# Altium PCB MOTHER_BOARD_LS1021_v1.0.PcbDoc (part 10 of 15) (continued)
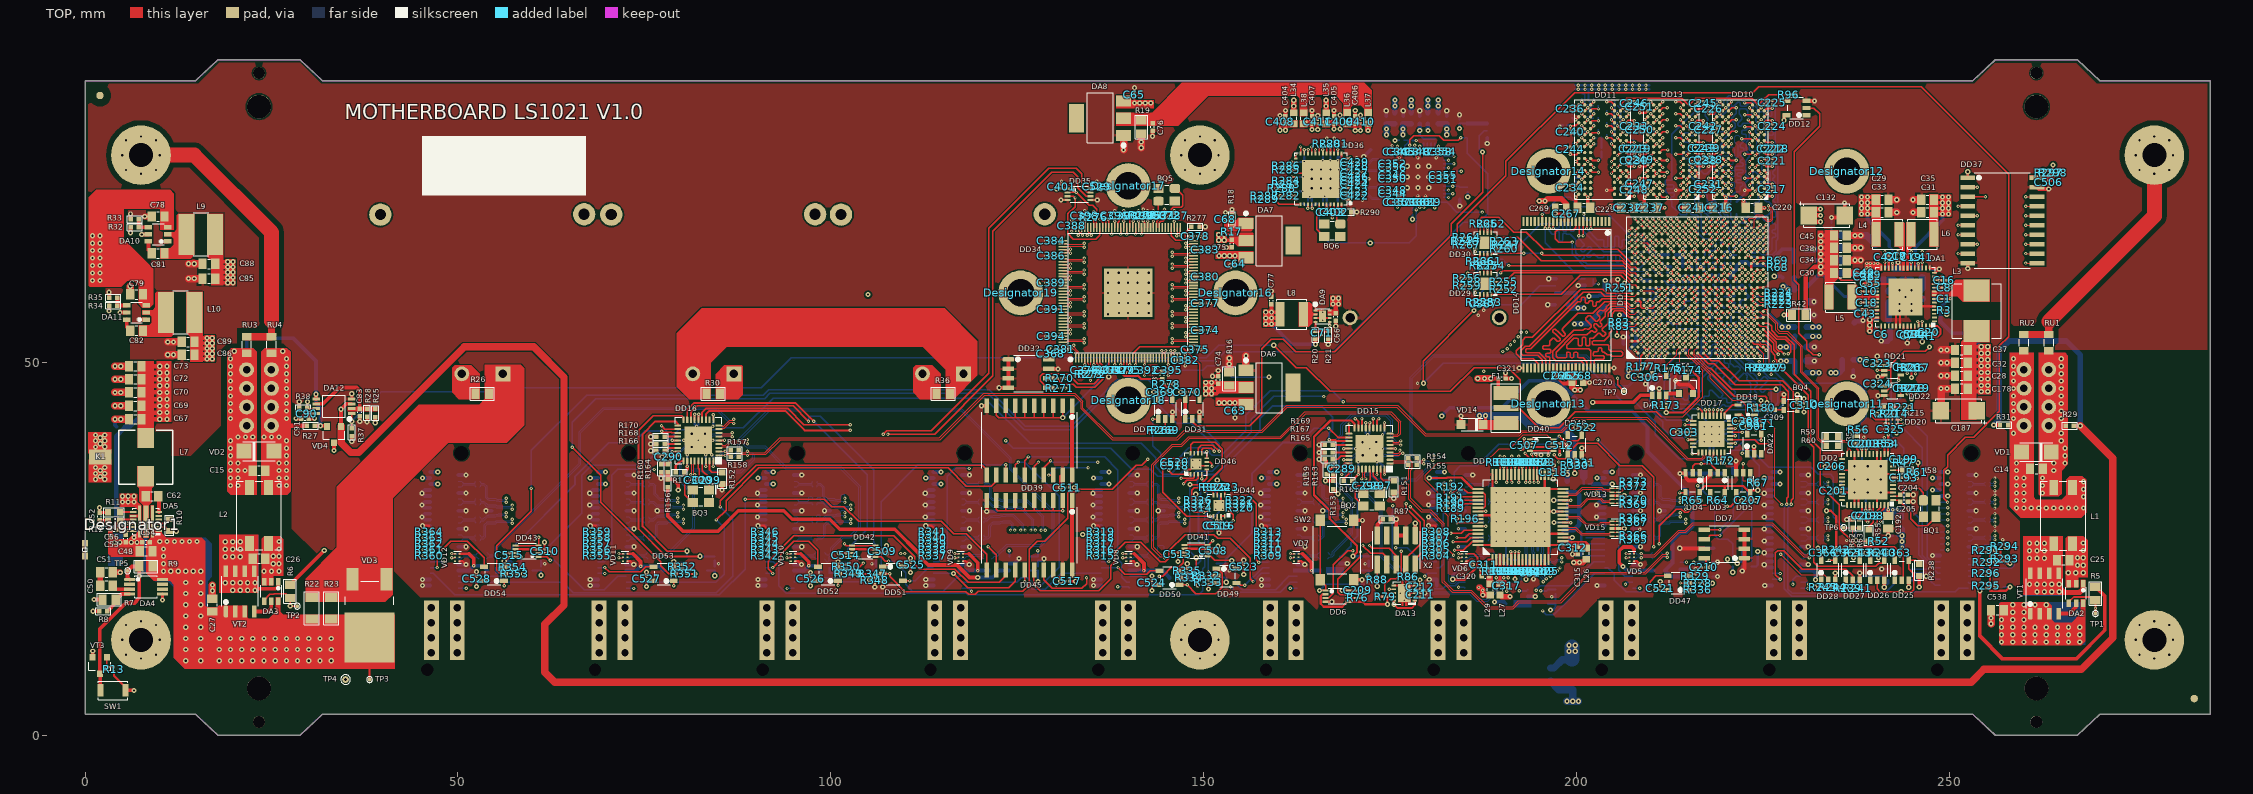
[diagram p0: TOP view]
## Nets (pads, with @x,y where several pads share a name; then routed paths per layer and width w, separated by ;. In a path a pad name is that pad's centre, name@x,y a point inside that pad or via, vN(x,y) a via of type N, cw(c..) or ccw(c..) an arc to the next point about the centre after c; other vN are vias at no path point) (continued)
NetC341_2: C341.2 C342.2 DD24.15 | length 2.3
  BOTTOM w0.196: C341.2@176.825,79.775 C342.2@177.45,79.775 177.45,79.496 177,79.046 DD24.15@177,78.275
NetC373_1: C373.1 DD33.4 DD34.17 R278.1 | length 11.2
  TOP w0.2: DD34.17@139.275,50.575 139.3,50.575 139.3,48.3
  TOP w0.3: 139.3,48.3 139.425,48.175 141.221,48.175 141.621,47.775 C373.1@144.45,47.775 144.7,47.525 R278.1@144.7,47.1 144.7,46.996 144.996,46.7 145.45,46.7 145.825,46.325 DD33.4@145.825,45.1
NetC506_1: C506.1 DD37.20 R297.2 R298.2
NetC530_2: C530.2 X4.20 | length 2.7
  BOTTOM w0.12: X4.20@230.075,26.9 230.735,26.9 231.025,26.61 232.235,26.61 C530.2@232.525,26.9
NetC531_2: C531.2 X4.18 | length 2.7
  BOTTOM w0.12: X4.18@230.075,26.1 230.735,26.1 231.025,26.39 232.235,26.39 C531.2@232.525,26.1
NetC532_2: C532.2 X4.26 | length 2.7
  BOTTOM w0.12: X4.26@230.075,29.3 230.735,29.3 231.025,29.01 232.235,29.01 C532.2@232.525,29.3
NetC533_2: C533.2 X4.24 | length 2.7
  BOTTOM w0.12: X4.24@230.075,28.5 230.735,28.5 231.025,28.79 232.235,28.79 C533.2@232.525,28.5
NetC534_2: C534.2 X4.36 | length 2.7
  BOTTOM w0.12: X4.36@230.075,33.3 230.735,33.3 231.025,33.59 232.235,33.59 C534.2@232.525,33.3
NetC535_2: C535.2 X4.38 | length 2.7
  BOTTOM w0.12: X4.38@230.075,34.1 230.735,34.1 231.025,33.81 232.235,33.81 C535.2@232.525,34.1
NetC536_2: C536.2 X4.30 | length 2.7
  BOTTOM w0.12: X4.30@230.075,30.9 230.735,30.9 231.025,31.19 232.235,31.19 C536.2@232.525,30.9
NetC537_2: C537.2 X4.32 | length 2.7
  BOTTOM w0.12: X4.32@230.075,31.7 230.735,31.7 231.025,31.41 232.235,31.41 C537.2@232.525,31.7
NetDA1_4: DA1.4 R3.2 | length 1
  TOP w0.25: DA1.4@248,57.025 R3.2@249.05,57.025
NetDA1_8: DA1.8 DA1.9 DA1.11 L3.1
NetDA1_21: DA1.21 L6.1
NetDA1_22: DA1.22 L4.1
NetDA1_35: DA1.35 DA1.36 L5.1
NetDA1_56: DA1.56 R1.1 | length 3.7
  TOP w0.25: DA1.56@247.375,54.9 248.375,54.9 248.825,54.45 248.825,53.825 248.5,53.5 R1.1@247.525,53.5
NetDA2_5: DA2.5 VT1.4 | length 3.2
  TOP w0.5: VT1.4@264.68,16.325 266.1,16.325 267,17.225 DA2.5@267,17.725
NetDA3_5: DA3.5 VT2.4 | length 3.4
  TOP w0.5: VT2.4@22.705,16.6 24.522,16.6 24.95,17.028 DA3.5@24.95,18
NetDA4_1: DA4.1 DA5.15 R9.2 SW1.1 TP5.1 VT3.3 | length 31.9
  TOP w0.25: v1(5.7,27.501) 5.7,27.425 DA5.15@6.45,27.425
  TOP w0.5: SW1.1@2.05,6.025 2.05,8.175 VT3.3@1.975,8.25 1.975,14.275 5.45,17.75 6.625,17.75 7.275,18.4 v2(7.275,21.36) R9.2@7.275,22.65 6.3,22.65 TP5.1@5.7,22.05 5.7,21.175 DA4.1@5.975,20.9
  BOTTOM w0.5: v1(5.7,27.501) 7.299,27.501 8.1,26.7 8.1,22.185 v2(7.275,21.36)
NetDA4_4: DA4.4 R7.2 R8.2 | length 4.2
  TOP w0.5: R8.2@3,16.65 4.125,17.775 R7.2@4.125,18.2 4.15,18.2 4.9,18.95 DA4.4@5.975,18.95
NetDA5_3: DA5.3 R10.2 | length 1.7
  TOP w0.25: DA5.3@9.9,28.425 10.775,28.425 R10.2@11.325,28.975
NetDA5_10: DA5.10 R11.2 | length 1.8
  TOP w0.25: R11.2@4.675,29.925 DA5.10@6.45,29.925
NetDA5_13: DA5.13 R14.1 R15.1 | length 17.6
  TOP w0.25: v1(5.75,28.425) DA5.13@6.45,28.425
  BOTTOM w0.6: v1(5.75,28.425) 4.45,28.425 4.175,28.7 4.175,40.1 5.3,41.225 R15.1@5.3,41.375 5.975,41.375 R14.1@6.975,42.375
NetDA9_2: DA9.2 L8.1
NetDA10_4: DA10.4 R32.1 R33.1 | length 2.4
  TOP w0.5: R33.1@7.2,69.2 R32.1@7.2,68.125 DA10.4@8.5,68.125
NetDA11_4: DA11.4 R34.1 R35.1 | length 2.3
  TOP w0.5: R35.1@4.325,58.675 4.35,58.65 4.35,57.65 DA11.4@5.6,57.65
NetDA12_3: DA12.3 R29.1 R31.1 VD4.1 | length 362.1
  TOP w0.5: VD4.1@34.325,41.425 v2(34.325,43.725) 35.05,44.45 DA12.3@35.775,44.45 ; v2(255.95,41.6) R31.1@256.8,41.6 ; R29.1@266.7,41.525 v2(267.575,41.525)
  TOP w1: VD4.1@34.325,41.425 34.375,41.425 34.375,39.2 35.65,37.925 36.7,37.925 50.85,52.075 50.85,52.1 60.15,52.1 64.225,48.025 64.225,17.45 61.65,14.875 61.65,8.45 62.975,7.125 252.925,7.125 254.65,8.85 267.725,8.85 271.925,13.05 271.925,37.175 v2(267.575,41.525)
  BOTTOM w0.75: v2(255.95,41.6) 256.7,42.35 256.7,51.525 258.05,52.875 265.7,52.875 267.575,51 v2(267.575,41.525)
NetDA12_5: DA12.5 R24.1 R27.1 VD4.2 | length 20.7
  TOP w0.5: R27.1@30.825,41.51 30.835,41.5 v2(31.575,41.5) 32.35,41.5 VD4.2@32.425,41.425 ; DA12.5@30.975,45.1 v2(30.975,45.75)
  BOTTOM w0.5: R24.1@22.771,53.265 27.903,53.265 30.975,50.192 v2(30.975,45.75) 30.975,44.454 31.575,43.854 v2(31.575,41.5)
NetDA13_9: DA13.9 DD5.4 DD6.2 DD6.5 R79.2 | length 71.1
  TOP w0.3: DD6.2@166.35,18.925 165.946,18.925 165.7,18.679 165.7,17.65 166.1,17.25 168.585,17.25 169.26,17.925 DD6.5@169.45,17.925 171.3,17.925 171.66,17.565 v2(174.675,17.565) R79.2@174.675,18.575 DA13.9@175.525,18.575 ; v1(220.225,30.7) 220.7,30.7 221.4,31.4 DD5.4@221.4,32.5
  SIGNAL2 w0.25: 208.652,27.15 208.675,27.15 209.05,27.525
  SIGNAL2 w0.3: v2(174.675,17.565) 175.875,18.765 175.875,19.875 176.575,20.575 178.275,20.575 178.7,20.15 180.543,20.15 181.943,21.55 184.525,21.55 185.556,20.519 187.208,20.519 190.233,17.494 195.296,17.494 195.853,18.05 197.35,18.05 206.425,27.125 206.674,27.125 206.699,27.15 208.652,27.15 ; 209.05,27.525 209.45,27.925 217.45,27.925 v1(220.225,30.7)
NetDA14_3: DA14.3 DD15.13 | length 54.5
  TOP w0.25: DD15.13@172.75,41.2 172.758,41.208 172.758,42.445 v1(172.755,42.45)
  SIGNAL1 w0.25: v1(172.755,42.45) 175.13,40.074 176.571,40.074 178.638,38.007 182.883,38.007 185.07,35.82 186.193,35.82 188.873,33.141 189.597,33.141 189.927,32.811 189.927,32.362 190.432,31.857 195.961,31.857 196.27,31.548 196.27,29.583 196.523,29.331 200.35,29.331 207.763,21.918 213.476,21.918 v1(214.758,23.2)
  BOTTOM w0.25: DA14.3@213.925,23.2 v1(214.758,23.2)
NetDA14_4: DA14.4 DD15.12 R143.2 | length 57.2
  TOP w0.25: DD15.12@173.25,41.2 173.25,42.182 v1(173.518,42.45)
  SIGNAL1 w0.25: v1(173.518,42.45) 174.84,42.45 178.183,39.107 186.279,39.107 188.205,37.181 188.205,35.631 189.7,34.136 189.7,33.621 190.3,33.02 198.48,33.02 201.2,30.3 201.2,29.193 203.597,26.795 204.866,26.795 207.433,24.229 207.433,23.182 208.294,22.321 212.944,22.321 214.456,23.834 215.109,23.834 v1(215.743,23.2)
  BOTTOM w0.25: v1(215.743,23.2) R143.2@217.675,23.2
NetDA15_3: DA15.3 DD15.17 | length 51.2
  TOP w0.25: v1(170.358,42.452) 170.358,42.487 170.367,42.495 170.75,42.112 DD15.17@170.75,41.2
  SIGNAL1 w0.25: v1(170.358,42.452) 170.358,41.222 176.456,35.125 180.888,35.125 181.72,34.293 182.494,34.293 182.751,34.551 183.349,34.551 185.5,32.4 186.2,32.4 188.57,30.03 188.57,27.074 189.012,26.632 196.415,26.632 198.662,24.386 198.662,21.642 196.986,19.966 192.919,19.966 v1(192.323,19.37)
  BOTTOM w0.25: v1(192.323,19.37) 193.294,19.37 DA15.3@193.475,19.55
NetDA15_4: DA15.4 DD15.16 R144.2 | length 51
  TOP w0.25: v1(171.236,42.455) 171.236,41.214 DD15.16@171.25,41.2
  SIGNAL1 w0.25: v1(171.236,42.455) 171.236,41.618 171.779,41.076 172.299,41.076 174.925,38.45 174.925,37.854 176.904,35.875 183.425,35.875 188.825,30.475 189.35,30.475 189.75,30.075 189.75,28.789 190.714,27.825 196.075,27.825 198.707,25.193 199.743,25.193 201.054,23.881 201.054,22.252 198.175,19.374 v1(195.232,19.374)
  BOTTOM w0.25: v1(195.232,19.374) 195.998,19.374 DA15.4@196.175,19.55 R144.2@197.175,19.55
NetDA16_3: DA16.3 DD15.19 | length 21.7
  TOP w0.25: DD15.19@169.5,40.45 169.5,41.749 v1(169.504,41.753)
  BOTTOM w0.25: DA16.3@168.3,24 168.365,23.935 169.756,25.325 169.756,25.851 170.65,26.745 170.65,32.181 169.022,33.809 169.022,35.437 168.169,36.29 168.169,38.725 169.504,40.059 v1(169.504,41.753)
NetDA16_4: DA16.4 DD15.18 R145.2 | length 27.9
  TOP w0.3: v2(170.025,24) 170.558,24.533 170.558,25.405 166.914,29.049 166.914,30.14 164.815,32.239 164.815,40.036 167.007,42.228 169.787,42.228 170.25,41.765 DD15.18@170.25,41.2
  BOTTOM w0.3: v2(170.025,24) 170.985,24 170.993,23.993 DA16.4@171,24 R145.2@172.15,24
NetDA17_3: DA17.3 DD15.21 | length 42.1
  TOP w0.25: v1(166.837,39.625) 167.645,39.625 167.82,39.45 DD15.21@169.5,39.45
  BOTTOM w0.25: DA17.3@149,23.05 149.261,23.05 149.607,23.396 149.607,25.743 149.293,26.057 149.293,31.706 149.601,32.013 149.601,33.041 149.166,33.475 149.166,34.765 149.4,34.999 151.774,34.999 157.55,40.775 157.55,42.429 159.3,44.179 165.759,44.179 167.3,42.637 167.3,41.06 166.837,40.597 v1(166.837,39.625)
NetDA17_4: DA17.4 DD15.20 R146.2 | length 30.8
  TOP w0.25: v1(166.788,41.186) 168.024,39.95 DD15.20@169.5,39.95
  BOTTOM w0.25: DA17.4@151.7,23.05 R146.2@152.95,23.05 152.95,23.626 156.505,27.181 156.505,35.122 160.666,39.283 162.945,39.283 164.847,41.186 v1(166.788,41.186)
NetDA18_3: DA18.3 DD16.13 | length 53.7
  TOP w0.25: DD16.13@82.75,42.3 82.754,42.304 82.754,43.3 83.301,43.846 94.208,43.846 96.4,41.654 v1(102.595,41.654)
  SIGNAL1 w0.25: v1(102.595,41.654) 110.26,41.654 117.647,34.267 117.647,29.8 120.347,27.1 121.578,27.1 v1(123.95,24.728)
  BOTTOM w0.25: DA18.3@123.95,24 v1(123.95,24.728)
NetDA18_4: DA18.4 DD16.12 R147.2 | length 59
  TOP w0.25: DD16.12@83.25,42.3 83.25,43.025 83.721,43.496 93.902,43.496 96.502,40.896 v1(102.613,40.896)
  SIGNAL1 w0.25: v1(102.613,40.896) 110.286,40.896 117.054,34.128 117.054,28.303 118.932,26.425 121.2,26.425 123.523,24.102 124.29,24.102 124.916,24.728 v1(127.77,24.728)
  BOTTOM w0.25: DA18.4@126.65,24 R147.2@127.775,24 127.775,24.723 v1(127.77,24.728)
NetDA19_3: DA19.3 DD16.17 | length 41.9
  TOP w0.25: DD16.17@80.75,42.3 80.75,43.662 81.635,44.546 95.294,44.546 v1(97.721,42.12)
  BOTTOM w0.25: v1(97.721,42.12) 104.896,34.944 104.896,27.623 102.275,25.001 DA19.3@102.275,24
NetDA19_4: DA19.4 DD16.16 R148.2 | length 43
  TOP w0.25: DD16.16@81.25,42.3 81.25,43.328 82.118,44.196 94.954,44.196 97.011,42.139 v1(97.011,42.109)
  BOTTOM w0.25: v1(97.011,42.109) 97.011,42.458 97.342,42.79 98.564,42.79 105.761,35.594 105.761,25.805 106.05,25.515 R148.2@106.05,24 DA19.4@104.975,24
NetDA20_3: DA20.3 DD16.19 | length 26.2
  TOP w0.25: DD16.19@79.5,41.55 79.5,41.79 79.199,42.091 76.48,42.091 74.76,40.371 74.76,28.007 78.076,24.691 v2(80.73,24.691)
  BOTTOM w0.25: DA20.3@80.725,24 80.73,24.005 v2(80.73,24.691)
NetDA20_4: DA20.4 DD16.18 R149.2 | length 32.2
  TOP w0.25: DD16.18@80.25,42.3 80.25,42.646 80.036,42.86 76.211,42.86 74.235,40.885 74.235,27.665 77.899,24.001 v2(82.47,24.001)
  BOTTOM w0.25: v2(82.47,24.001) 82.472,24 DA20.4@83.425,24 R149.2@84.45,24
NetDA21_3: DA21.3 DD16.21 | length 30.6
  TOP w0.196: v1(77.311,40.799) 77.472,40.638 78.583,40.638 78.671,40.55 DD16.21@79.5,40.55
  BOTTOM w0.25: DA21.3@57.325,24 57.325,25.255 65.708,33.639 65.708,34.715 70.225,39.232 73.477,39.232 75.044,40.799 v1(77.311,40.799)
NetDA21_4: DA21.4 DD16.20 R150.2 | length 32.4
  TOP w0.196: v1@77.311,41.509 77.77,41.05 DD16.20@79.5,41.05
  BOTTOM w0.196: DA21.4@60.025,24 R150.2@61.125,24 61.149,24.024 61.149,24.355 66.582,29.788 66.582,34.882 67.917,36.216 74.898,36.216 78.011,39.329 78.011,40.795 v1(77.304,41.502)
NetDA22_4: DA22.4 DD17.17 R171.2 | length 14.5
  TOP w0.25: v1(215.522,37.762) 216.375,37.762 DD17.17@216.375,37.925 ; v1(224.775,39.588) DA22.4@224.775,40.45 R171.2@224.775,41.525
  BOTTOM w0.25: v1(215.522,37.762) 215.522,38.706 216.756,39.94 219.663,39.94 220.905,38.698 221.634,38.698 222.524,39.588 223.165,39.588 v1(224.775,39.588)
NetDA23_3: DA23.3 R173.1 VT4.1 | length 2.8
  TOP w0.3: R173.1@212.05,44.575 DA23.3@212.05,45.6
  TOP w0.5: DA23.3@212.05,45.6 212.3,45.85 VT4.1@213.725,45.85
NetDA23_4: DA23.4 DD1.J2 R175.2 | length 4.5
  TOP w0.14: DA23.4@212.05,48.3 R175.2@212.05,49.2 212.05,49.65 213.119,50.719 213.45,51.05 213.45,51.65 DD1.J2@213.85,52.05
NetDD1_AB2: DD1.AB2 R226.1 | length 2.8
  TOP w0.15: DD1.AB2@224.25,52.05 225.1,51.2 R226.1@225.1,49.6
NetDD1_AB3: DD1.AB3 R227.1 | length 4.3
  TOP w0.149: 224.805,52.47 225.305,52.47
  TOP w0.15: DD1.AB3@224.25,52.85 224.425,52.85 224.805,52.47 ; 225.305,52.47 225.85,51.925 R227.1@225.85,49.6
NetDD1_AB10: DD1.AB10 R223.1 | length 2.8
  TOP w0.15: DD1.AB10@224.25,58.45 224.65,58.05 225.425,58.05 225.65,57.825 R223.1@226.825,57.825
NetDD1_AB11: DD1.AB11 R225.1 | length 2.7
  TOP w0.149: DD1.AB11@224.25,59.25 224.65,58.85 R225.1@226.825,58.85
NetDD1_AB16: DD1.AB16 R69.2 | length 2.7
  TOP w0.15: DD1.AB16@224.25,63.25 224.65,63.65 226.7,63.65 R69.2@226.725,63.625
NetDD1_AC3: DD1.AC3 DD26.4 R240.1 | length 43.8
  TOP w0.196: DD1.AC3@225.05,52.85 225.45,52.85 226.123,52.177 226.123,51.502 226.625,51 226.625,50.523 226.848,50.3 226.848,49.827 231.073,45.602 231.073,39.352 231.825,38.6 231.825,23.225 232.384,22.666 240.14,22.666 240.524,23.05 241.1,23.05 241.275,23.225 DD26.4@241.275,23.5 R240.1@241.275,24.45
NetDD1_AC6: DD1.AC6 DD25.2 | length 46.6
  TOP w0.196: DD1.AC6@225.05,55.25 225.75,55.25 226.175,54.825 226.175,54.3 227,53.475 228.1,53.475 229.175,52.4 229.175,48.425 231.45,46.15 231.45,39.709 232.725,38.434 232.725,33.5 235.275,30.95 235.275,27.725 236.94,26.06 236.94,25.925 237.564,25.3 242.625,25.3 243.098,24.827 243.598,24.827 243.85,24.575 243.85,21.342 243.827,21.319 243.827,21.002 DD25.2@243.625,20.8
NetDD1_AC10: DD1.AC10 R222.1 | length 1.8
  TOP w0.15: DD1.AC10@225.05,58.45 225.55,58.45 225.675,58.325 R222.1@226.825,58.325
NetDD1_AC11: DD1.AC11 R224.1 | length 1.8
  TOP w0.15: DD1.AC11@225.05,59.25 226.05,59.25 226.175,59.375 R224.1@226.825,59.375
NetDD1_AC16: DD1.AC16 R68.2 | length 1.9
  TOP w0.15: DD1.AC16@225.05,63.25 225.5,62.8 R68.2@226.725,62.8
NetDD1_C1: DD1.C1 R177.1 | length 1.7
  TOP w0.2: R177.1@208.65,49.75 208.65,50.85 DD1.C1@209.05,51.25 DD1.C1@209.025,51.25
NetDD1_C6: DD1.C6 TP7.1 | length 11.5
  TOP w0.196: v1(208.65,54.85) DD1.C6@209.05,55.25
  TOP w0.2: v1(205.51,47.902) 205.51,46.99 TP7.1@206.375,46.125
  GND+PWR1 w0.2: v1(205.51,47.902) 205.5,47.912 205.5,48.872 207.075,50.447 207.075,54.143 207.782,54.85 v1(208.65,54.85)
NetDD1_E3: DD1.E3 R178.1 | length 2.9
  TOP w0.2: v1(210.25,52.45) DD1.E3@210.65,52.85
  BOTTOM w0.14: R178.1@209.85,50.275 209.85,52.05 v1(210.25,52.45)
NetDD1_E6: DD1.E6 DD28.2 R244.2 R245.2 | length 53.9
  TOP w0.14: v1(227.375,24.3) 230.151,21.524 233.207,21.524 233.75,20.981 DD28.2@233.75,20.8 233.754,20.796 233.754,19.845 ; R245.2@233.416,19.845 233.754,19.845 ; R244.2@234.091,19.845 233.754,19.845
  TOP w0.196: v1(210.25,54.85) DD1.E6@210.65,55.25
  GND+PWR1 w0.14: v1(210.25,54.85) 210.645,54.455 210.645,53.096 210.891,52.85 211.275,52.85 211.45,52.675 211.45,49.9 211.875,49.475 211.875,46.3 210.098,44.523 210.098,37.927 214.625,33.4 214.625,32.1 218.1,28.625 225.625,28.625 227.375,26.875 v1(227.375,24.3)
NetDD1_E11: DD1.E11 R85.1 | length 2.6
  TOP w0.15: v1(208.675,59.65) 210.25,59.65 DD1.E11@210.65,59.25
  BOTTOM w0.196: R85.1@208.2,59.65 v1(208.675,59.65)
NetDD1_F3: DD1.F3 R75.1 | length 2.9
  TOP w0.2: v1(211.05,52.45) DD1.F3@211.45,52.85
  BOTTOM w0.14: R75.1@210.65,50.275 210.65,52.05 v1(211.05,52.45)
NetDD1_F4: DD1.F4 R70.2 | length 3.1
  TOP w0.12: v1(211.05,53.25) DD1.F4@211.45,53.65
  BOTTOM w0.12: v1(211.05,53.25) 211.435,52.865 212.089,52.865 212.235,52.719 212.235,52.065 212.435,51.865 212.485,51.865 212.575,51.775 R70.2@212.575,51.725
NetDD1_F5: DD1.F5 R62.1 R63.2 TP6.1 | length 53
  TOP w0.14: TP6.1@235.85,27.85 R62.1@237.025,27.85 ; v1(237.025,26.75) R62.1@237.025,27.85 ; R63.2@237.925,27.85 R62.1@237.025,27.85
  TOP w0.2: v1(211.05,54.05) DD1.F5@211.45,54.45
  GND+PWR1 w0.14: v1(211.05,54.05) 211.455,53.645 211.455,53.086 211.696,52.845 212.014,52.845 212.245,52.614 212.245,46.12 210.575,44.45 210.575,39.45 215.3,34.725 215.3,32.065 217.415,29.95 230.15,29.95 232.325,27.775 236,27.775 v1(237.025,26.75)
NetDD1_F9: DD1.F9 R73.2 | length 4
  TOP w0.2: v1(211.05,57.25) DD1.F9@211.45,57.65
  BOTTOM w0.13: R73.2@208.85,57 208.935,56.915 209.062,56.915 209.917,56.06 210.412,56.06 210.66,56.308 210.66,56.612 210.775,56.727 210.775,56.975 v1(211.05,57.25)
NetDD1_G3: DD1.G3 R74.1 | length 2.9
  TOP w0.2: v1(211.85,52.45) DD1.G3@212.25,52.85
  BOTTOM w0.14: R74.1@211.45,50.275 211.45,52.05 v1(211.85,52.45)
NetDD1_G4: DD1.G4 R71.2 | length 4.4
  TOP w0.12: v1(211.85,53.25) DD1.G4@212.25,53.65
  BOTTOM w0.14: v1(211.85,53.25) 212.25,53.65 212.875,53.65 213.055,53.47 213.055,51.945 ; 213.055,52.35 213.055,51.945 ; R71.2@213.275,51.725 213.275,51.775 213.195,51.855 R71.2@213.145,51.855 ; 213.055,51.945 R71.2@213.145,51.855 ; 213.055,51.945 213.055,51.937 213.137,51.855 R71.2@213.145,51.855
NetDD1_G5: DD1.G5 DD5.2 R67.1 | length 37.4
  TOP w0.14: v1(222.35,36.427) DD5.2@222.35,35.2 222.35,34.15 R67.1@224.325,34.15
  TOP w0.196: v1(211.85,54.05) DD1.G5@212.25,54.45
  GND+PWR1 w0.14: v1(211.85,54.05) 212.25,53.65 212.875,53.65 213.043,53.482 213.043,53.415 213.045,53.414 213.045,48.745 212.65,48.35 212.65,45.825 211.025,44.2 211.025,39.8 215.775,35.05 215.775,33.391 216.291,32.875 218.798,32.875 v1(222.35,36.427)
NetDD1_H18: DD1.H18 R90.2 R91.2 | length 14.4
  TOP w0.196: v1(212.65,65.25) DD1.H18@213.05,64.85
  SIGNAL2 w0.113: v1(202.95,60.525) 202.95,61.45 205.531,64.031 211.431,64.031 v1(212.65,65.25)
  BOTTOM w0.196: R90.2@202.275,61.225 R91.2@202.275,60.325 202.475,60.525 v1(202.95,60.525)
NetDD1_J1: DD1.J1 R174.2 VT4.3 | length 3.8
  TOP w0.15: DD1.J1@213.85,51.25 213.85,49.259 214.184,48.925 R174.2@214.675,48.925 VT4.3@214.675,48.05
NetDD1_J7: DD1.J7 R176.1 | length 7.8
  TOP w0.2: v1(213.45,55.65) DD1.J7@213.85,56.05
  BOTTOM w0.2: v1(213.45,55.65) 213.45,54.617 213.567,54.5 216.175,54.5 216.35,54.325 216.35,52.075 ; R176.1@215.925,51.65 216.35,52.075 ; 216.35,52.375 216.35,52.075
NetDD1_R5: DD1.R5 DD27.4 R243.1 | length 46.5
  TOP w0.14: DD27.4@238,23.5 R243.1@238,24.45 238,24.865 v1(238.012,24.876)
  TOP w0.196: DD1.R5@218.65,54.45 v1(219.05,54.05)
  SIGNAL2 w0.14: v1(219.05,54.05) 219.45,53.65 229.35,53.65 230.175,52.825 232.254,52.825 233.062,52.017 233.062,45.962 232.4,45.3 232.4,42.061 236.324,38.137 236.324,32.101 238.012,30.413 v1(238.012,24.876)
NetDD1_R6: DD1.R6 DD1.U6 R72.2 | length 4.2
  TOP w0.2: DD1.R6@218.65,55.25 v1(219.05,54.85) ; DD1.U6@220.25,55.25 v1(220.65,54.85)
  SIGNAL2 w0.2: v1(219.05,54.85) 219.475,55.275 220.225,55.275 v1(220.65,54.85)
  BOTTOM w0.2: v1(220.65,54.85) 220.849,54.85 221.274,55.275 ; 221.275,55.275 221.45,55.45 R72.2@221.45,55.5
NetDD1_T14: DD1.T14 R213.1 | length 15.5
  TOP w0.2: DD1.T14@219.45,61.65 v1(219.85,62.05)
  GND+PWR1 w0.14: v1(219.85,62.05) 220.245,61.655 226.42,61.655 v2(226.525,61.55)
  GND+PWR2 w0.14: v1(219.85,62.05) 220.255,61.645 226.43,61.645 v2(226.525,61.55)
  BOTTOM w0.5: v2(226.525,61.55) 227.475,61.55 227.625,61.4 R213.1@227.625,61.35
NetDD1_U5: DD1.U5 R179.2 | length 5.6
  TOP w0.2: DD1.U5@220.25,54.45 v1(220.65,54.05)
  BOTTOM w0.14: R179.2@216.025,54.975 216.675,54.975 217.2,54.45 220.025,54.45 220.425,54.05 v1(220.65,54.05)
NetDD1_U9: DD1.U9 R212.1 | length 5.5
  TOP w0.2: DD1.U9@220.25,57.65 v1(220.65,57.25)
  BOTTOM w0.14: 222.849,56.05 224.308,56.05
  BOTTOM w0.2: v1(220.65,57.25) 221.175,56.725 221.875,56.725 222.55,56.05 222.849,56.05 ; 224.308,56.05 224.55,56.05 R212.1@224.9,56.4
NetDD1_V23: DD1.V23 R92.2 | length 1.2
  TOP w0.196: DD1.V23@221.05,68.85 v1(221.45,69.25)
  BOTTOM w0.3: v1(221.45,69.25) R92.2@221.45,69.925
NetDD1_W21: DD1.W21 R89.2 | length 1
  TOP w0.196: DD1.W21@221.85,67.25 v1(222.25,67.65)
  BOTTOM w0.196: v1(222.25,67.65) R89.2@222.25,68.125
NetDD1_Y23: DD1.Y23 R93.2 | length 1.5
  TOP w0.196: v1(222.25,69.25) DD1.Y23@222.65,68.85
  BOTTOM w0.3: v1(222.25,69.25) 222.725,69.25 R93.2@223.05,69.575
NetDD2_9: DD2.9 R58.2 | length 1.2
  TOP w0.196: DD2.9@242.475,35.55 R58.2@243.7,35.55
NetDD2_11: DD2.11 R47.1 | length 1.1
  TOP w0.25: DD2.11@242.475,36.55 R47.1@243.575,36.55
NetDD2_13: DD2.13 R54.1 | length 1.1
  TOP w0.25: DD2.13@241.8,37.725 R54.1@241.8,38.825
NetDD2_14: DD2.14 R53.1 | length 1.1
  TOP w0.25: DD2.14@241.3,37.725 R53.1@241.3,38.825
NetDD2_21: DD2.21 R57.2 | length 1.4
  TOP w0.196: R57.2@237.575,39.075 237.575,38.45 237.8,38.225 DD2.21@237.8,37.725
NetDD2_23: DD2.23 R59.1 | length 3.5
  TOP w0.12: R59.1@235.1,40.075 235.44,39.735 235.44,39.643 235.51,39.572 236.221,39.572 236.645,39.148 236.645,38.34 236.8,38.185 DD2.23@236.8,37.725
NetDD2_24: DD2.24 R60.1 | length 3.1
  TOP w0.12: R60.1@235.1,38.85 235.44,39.19 235.44,39.282 235.51,39.352 236.13,39.352 236.425,39.057 236.425,38.31 236.3,38.185 DD2.24@236.3,37.725
NetDD2_41: DD2.41 R63.1 | length 2.1
  TOP w0.25: R63.1@237.925,28.95 237.925,29.675 238.3,30.05 DD2.41@238.3,30.875
NetDD2_44: DD2.44 R55.2 | length 3.5
  TOP w0.196: R55.2@239.2,27.625 239.2,28 239.8,28.6 DD2.44@239.8,30.875
NetDD6_6: DD6.6 R76.1 | length 0.9
  TOP w0.3: DD6.6@169.45,18.425 R76.1@170.375,18.425
NetDD8_14: DD8.14 X1.1 | length 43.4
  SIGNAL1 w0.5: X1.1@189.65,56 192.2,56 196.65,51.55 205.391,51.55 207.75,49.191 207.75,47.42 211.045,44.125 212.364,44.125 213.624,42.865 215.175,42.865 215.623,42.417 215.623,39.977 217.35,38.25 219.363,38.25 v2(220.586,37.027)
  BOTTOM w0.5: v2(220.586,37.027) 220.618,37.027 220.58,36.989 220.58,36.489 220.955,36.114 DD8.14@220.955,35.1
NetDD9_4: DD9.4 R90.1 | length 1.2
  BOTTOM w0.196: DD9.4@199.95,61.225 R90.1@201.175,61.225
NetDD10_L8: DD10.L8 R94.2 | length 1.4
  TOP w0.196: DD10.L8@219.6,80.55 v1(220,80.95)
  BOTTOM w0.196: R94.2@219.2,80.95 v1(220,80.95)
NetDD11_L8: DD11.L8 R95.2 | length 1.4
  TOP w0.196: DD11.L8@201.1,80.55 v1(201.5,80.95)
  BOTTOM w0.196: R95.2@200.7,80.925 200.725,80.95 v1(201.5,80.95)
NetDD13_L8: DD13.L8 R99.2 | length 1.4
  TOP w0.196: DD13.L8@210.35,80.55 v1(210.75,80.95)
  BOTTOM w0.196: R99.2@209.95,80.95 v1(210.75,80.95)
NetDD15_22: DD15.22 R169.2 | length 2.2
  TOP w0.25: R169.2@167.35,38.95 DD15.22@169.5,38.95
NetDD15_24: DD15.24 R167.2 | length 2.2
  TOP w0.25: R167.2@167.35,37.925 167.375,37.95 DD15.24@169.5,37.95
NetDD15_25: DD15.25 R165.2 | length 2.3
  TOP w0.25: R165.2@167.35,37.025 167.975,37.025 168.4,37.45 DD15.25@169.5,37.45
NetDD15_28: DD15.28 R161.2 | length 2.2
  TOP w0.3: R161.2@168.8,34.15 168.8,34.4 170.1,35.7 DD15.28@170.25,35.7
NetDD15_35: DD15.35 R151.2 | length 3.1
  TOP w0.25: DD15.35@173.75,35.7 173.75,34.525 174.125,34.15 R151.2@175.5,34.15
NetDD16_22: DD16.22 R170.2 | length 1.8
  TOP w0.25: R170.2@77.725,40.05 DD16.22@79.5,40.05
NetDD16_24: DD16.24 R168.2 | length 1.8
  TOP w0.25: R168.2@77.725,39.05 DD16.24@79.5,39.05
NetDD16_25: DD16.25 R166.2 | length 1.9
  TOP w0.25: R166.2@77.725,38.15 77.962,38.15 78.362,38.55 DD16.25@79.5,38.55
NetDD16_28: DD16.28 R162.2 | length 2.2
  TOP w0.3: R162.2@79.225,35.25 79.225,36.177 79.848,36.8 DD16.28@80.25,36.8
NetDD16_35: DD16.35 R152.2 | length 3
  TOP w0.25: DD16.35@83.75,36.8 83.75,35.586 84.061,35.275 R152.2@85.425,35.275
NetDD17_1: DD17.1 DD18.4 | length 2.6
  TOP w0.25: DD17.1@219.875,42.875 219.875,43.25 220.9,44.275 DD18.4@221.675,44.275
NetDD17_23: DD17.23 R172.2 | length 0.8
  TOP w0.25: R172.2@219.375,37.1 DD17.23@219.375,37.925
NetDD19_6: DD19.6 R199.1 R202.2 | length 2.8
  TOP w0.3: v1(191.175,24.6) 191.175,24.559 191.25,24.484 DD19.6@191.25,23.575 R199.1@191.25,22.3
  BOTTOM w0.3: v1(191.175,24.6) 191.25,24.525 R202.2@191.25,24.125
NetDD19_7: DD19.7 R198.1 R201.2 | length 2.8
  TOP w0.3: R198.1@191.75,22.3 DD19.7@191.75,23.575 v1(191.75,24.6)
  BOTTOM w0.3: R201.2@191.75,24.125 v1(191.75,24.6)
NetDD19_8: DD19.8 R197.1 R200.2 | length 2.8
  TOP w0.3: R197.1@192.25,22.3 DD19.8@192.25,23.575 192.25,24.509 192.3,24.559 v1(192.3,24.6)
  BOTTOM w0.3: R200.2@192.25,24.125 192.25,24.55 v1(192.3,24.6)
NetDD19_9: DD19.9 R206.2 | length 1.3
  TOP w0.3: R206.2@192.75,22.3 192.75,22.975 DD19.9@192.75,23.575
NetDD19_10: DD19.10 R204.2 | length 1.3
  TOP w0.3: R204.2@193.25,22.3 193.25,22.975 DD19.10@193.25,23.575
NetDD19_11: DD19.11 R208.2 | length 1.3
  TOP w0.3: R208.2@193.75,22.3 193.75,22.975 DD19.11@193.75,23.575
NetDD19_13: DD19.13 R207.2 | length 1.3
  TOP w0.3: R207.2@194.75,22.3 194.75,22.975 DD19.13@194.75,23.575
NetDD19_14: DD19.14 R209.2 | length 1.3
  TOP w0.3: R209.2@195.25,22.3 195.25,22.975 DD19.14@195.25,23.575
NetDD19_15: DD19.15 R205.2 | length 1.3
  TOP w0.3: R205.2@195.75,22.3 195.75,22.975 DD19.15@195.75,23.575
NetDD19_19: DD19.19 R210.1 | length 2.8
  TOP w0.3: DD19.19@198.2,26.525 v2(199.45,26.525)
  BOTTOM w0.5: R210.1@198.25,25.7 198.6,25.7 199.425,26.525 v2(199.45,26.525)
NetDD19_35: DD19.35 R203.2 | length 1.4
  TOP w0.3: DD19.35@195.25,34.975 DD19.35@195.25,35.575 ; DD19.35@195.25,35.575 R203.2@195.25,36.325
NetDD20_5: DD20.5 R214.1 R215.2 R220.2 R221.2 | length 3.4
  TOP w0.3: R220.2@241.6,43.1 R214.1@242.325,43.1 ; DD20.5@242.375,42.35 242.375,43.05 R214.1@242.325,43.1 ; R221.2@243.375,44 R215.2@242.325,44 R214.1@242.325,43.1
NetDD20_6: DD20.6 R215.1 | length 5
  TOP w0.25: R215.1@241.225,44 239.95,44 239.625,43.675 239.625,42.8 240.075,42.35 DD20.6@241.875,42.35
NetDD24_12: DD24.12 R236.1 | length 2
  BOTTOM w0.25: R236.1@173.975,78.525 174.875,78.525 175.35,78.05 DD24.12@175.35,77.625
NetDD24_20: DD24.20 R232.2 | length 1.1
  BOTTOM w0.25: DD24.20@179.5,78.275 R232.2@179.5,79.4
NetDD24_21: DD24.21 R233.2 | length 1.1
  BOTTOM w0.25: DD24.21@180,78.275 R233.2@180,79.4
NetDD24_22: DD24.22 R234.2 | length 1.1
  BOTTOM w0.25: DD24.22@180.5,78.275 R234.2@180.5,79.4
NetDD24_23: DD24.23 R235.2 | length 1.1
  BOTTOM w0.25: DD24.23@181,78.275 R235.2@181,79.4
NetDD24_44: DD24.44 R237.1 | length 1
  BOTTOM w0.25: R237.1@178,70.45 DD24.44@178,71.475
NetDD29_1: DD29.1 R252.1 | length 0.8
  TOP w0.25: DD29.1@189.225,59.8 R252.1@189.975,59.8
NetDD29_2: DD29.2 DD29.10 DD30.2 DD30.10 R246.2 R247.2 | length 17.6
  TOP w0.2: R246.2@185.375,66.275 v1(185.85,66.275) DD30.10@186.425,66.275 ; v1(185.829,60.8) DD29.10@186.425,60.8 ; DD29.2@189.225,60.3 v1(189.825,60.3) ; DD30.2@189.225,65.775 R247.2@190.275,65.775
  SIGNAL2 w0.2: v1(185.829,60.8) 186.329,60.3 v1(189.825,60.3) 190.421,60.896 190.421,62.604 190.178,62.847 190.178,65.397 v1(189.8,65.775) 189.3,66.275 v1(185.85,66.275)
NetDD29_3: DD29.3 R255.1 | length 0.8
  TOP w0.25: DD29.3@189.225,60.8 R255.1@189.975,60.8
NetDD29_5: DD29.5 R254.1 | length 0.7
  TOP w0.25: DD29.5@188.575,61.95 R254.1@188.575,62.675
NetDD29_7: DD29.7 R257.1 | length 0.7
  TOP w0.25: DD29.7@187.575,61.95 R257.1@187.575,62.675
NetDD29_9: DD29.9 R256.1 | length 0.8
  TOP w0.25: R256.1@185.675,61.3 DD29.9@186.425,61.3
NetDD29_11: DD29.11 R259.1 | length 0.7
  TOP w0.25: R259.1@185.675,60.3 DD29.11@186.425,60.3
NetDD29_13: DD29.13 R258.1 | length 0.8
  TOP w0.25: R258.1@187.075,58.375 DD29.13@187.075,59.15
NetDD29_15: DD29.15 R253.1 | length 0.8
  TOP w0.25: R253.1@188.075,58.375 DD29.15@188.075,59.15
NetDD30_1: DD30.1 R260.1 | length 0.8
  TOP w0.25: DD30.1@189.225,65.275 R260.1@190,65.275
NetDD30_3: DD30.3 R263.1 | length 0.8
  TOP w0.25: DD30.3@189.225,66.275 R263.1@190,66.275
NetDD30_5: DD30.5 R262.1 | length 0.9
  TOP w0.25: DD30.5@188.575,67.425 R262.1@188.575,68.3
NetDD30_7: DD30.7 R265.1 | length 0.9
  TOP w0.25: DD30.7@187.575,67.425 R265.1@187.575,68.3
NetDD30_9: DD30.9 R264.1 | length 0.8
  TOP w0.25: R264.1@185.6,66.775 DD30.9@186.425,66.775
NetDD30_11: DD30.11 R267.1 | length 0.8
  TOP w0.25: R267.1@185.6,65.775 DD30.11@186.425,65.775